# KiCad board untitled.kicad_pcb (continued)
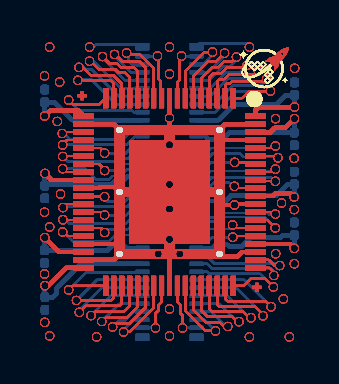
[diagram p0: board, top side]
## Routing (per net, layer and track width the routed paths; a pad name or vN(x,y) marks a point on that pad's centre or on a via; arc(x,y) is an arc through that point) (continued)
/PIN 35: length 120.9
  Top w0.1: 5.56,-0.49 5.57,-0.48 ; 5.56,-0.49 5.57,-0.48 ; 5.56,-0.49 5.57,-0.48 ; 5.56,-0.49 v1(5.56,-1.22) ; 5.56,-0.49 v1(5.56,-1.22) ; 5.56,-0.49 5.57,-0.48 ; 5.56,-0.49 5.57,-0.48 ; 5.56,-0.49 v1(5.56,-1.22) ; 5.56,-0.49 5.57,-0.48 ; 5.56,-0.49 v1(5.56,-1.22) ; 5.56,-0.49 5.57,-0.48 ; 5.56,-0.49 5.57,-0.48 ; 5.56,-0.49 5.57,-0.48 ; 5.56,-0.49 v1(5.56,-1.22) ; 5.56,-0.49 v1(5.56,-1.22) ; 5.56,-0.49 v1(5.56,-1.22) ; 5.56,-0.49 5.57,-0.48 ; 5.56,-0.49 5.57,-0.48 ; 5.56,-0.49 v1(5.56,-1.22) ; 5.56,-0.49 v1(5.56,-1.22) ; 5.56,-0.49 5.57,-0.48 ; 5.56,-0.49 v1(5.56,-1.22) ; 5.56,-0.49 5.57,-0.48 ; 5.56,-0.49 5.57,-0.48 ; 5.56,-0.49 5.57,-0.48 ; 5.56,-0.49 v1(5.56,-1.22) ; 5.56,-0.49 5.57,-0.48 ; 5.56,-0.49 5.57,-0.48 ; 5.56,-0.49 v1(5.56,-1.22) ; 5.56,-0.49 v1(5.56,-1.22) ; 5.56,-0.49 5.57,-0.48 ; 5.56,-0.49 5.57,-0.48 ; 5.56,-0.49 5.57,-0.48 ; 5.56,-0.49 v1(5.56,-1.22) ; 5.56,-0.49 v1(5.56,-1.22) ; 5.56,-0.49 v1(5.56,-1.22) ; 5.56,-0.49 5.57,-0.48 ; 5.56,-0.49 5.57,-0.48 ; 5.56,-0.49 5.57,-0.48 ; 5.56,-0.49 5.57,-0.48 ; 5.56,-0.49 v1(5.56,-1.22) ; 5.56,-0.49 v1(5.56,-1.22) ; 5.56,-0.49 5.57,-0.48 ; 5.56,-0.49 v1(5.56,-1.22) ; 5.56,-0.49 5.57,-0.48 ; 5.56,-0.49 5.57,-0.48 ; 5.56,-0.49 5.57,-0.48 ; 5.56,-0.49 v1(5.56,-1.22) ; 5.56,-0.49 5.57,-0.48 ; 5.56,-0.49 5.57,-0.48 ; 5.56,-0.49 v1(5.56,-1.22) ; 5.56,-0.49 v1(5.56,-1.22) ; 5.56,-0.49 5.57,-0.48 ; 5.56,-0.49 v1(5.56,-1.22) ; 5.56,-0.49 v1(5.56,-1.22) ; 5.56,-0.49 5.57,-0.48 ; 5.56,-0.49 v1(5.56,-1.22) ; 5.56,-0.49 v1(5.56,-1.22) ; 5.56,-0.49 v1(5.56,-1.22) ; 5.56,-0.49 v1(5.56,-1.22) ; 5.56,-0.49 5.57,-0.48 ; 5.56,-0.49 v1(5.56,-1.22) ; 5.56,-0.49 v1(5.56,-1.22) ; 5.56,-0.49 v1(5.56,-1.22) ; 5.56,-0.49 v1(5.56,-1.22) ; 5.56,-0.49 5.57,-0.48 ; 5.56,-0.49 v1(5.56,-1.22) ; 5.56,-0.49 5.57,-0.48 ; 5.56,-0.49 v1(5.56,-1.22) ; 5.56,-0.49 5.57,-0.48 ; 5.56,-0.49 5.57,-0.48 ; 5.56,-0.49 v1(5.56,-1.22) ; 5.56,-0.49 v1(5.56,-1.22) ; 5.56,-0.49 v1(5.56,-1.22) ; 5.56,-0.49 5.57,-0.48 ; 5.56,-0.49 v1(5.56,-1.22) ; 5.56,-0.49 v1(5.56,-1.22) ; 5.56,-0.49 5.57,-0.48 ; 5.56,-0.49 5.57,-0.48 ; 5.56,-0.49 v1(5.56,-1.22) ; 5.56,-0.49 5.57,-0.48 ; 5.56,-0.49 v1(5.56,-1.22) ; 5.56,-0.49 5.57,-0.48 ; 5.56,-0.49 v1(5.56,-1.22) ; 5.57,-0.48 5.72,-0.33 ; 5.57,-0.48 5.72,-0.33 ; 5.57,-0.48 5.72,-0.33 ; 5.57,-0.48 5.72,-0.33 ; 5.57,-0.48 5.72,-0.33 ; 5.57,-0.48 5.72,-0.33 ; 5.57,-0.48 5.72,-0.33 ; 5.57,-0.48 5.72,-0.33 ; 5.57,-0.48 5.72,-0.33 ; 5.57,-0.48 5.72,-0.33 ; 5.57,-0.48 5.72,-0.33 ; 5.57,-0.48 5.72,-0.33 ; 5.57,-0.48 5.72,-0.33 ; 5.57,-0.48 5.72,-0.33 ; 5.57,-0.48 5.72,-0.33 ; 5.57,-0.48 5.72,-0.33 ; 5.57,-0.48 5.72,-0.33 ; 5.57,-0.48 5.72,-0.33 ; 5.57,-0.48 5.72,-0.33 ; 5.57,-0.48 5.72,-0.33 ; 5.57,-0.48 5.72,-0.33 ; 5.57,-0.48 5.72,-0.33 ; 5.57,-0.48 5.72,-0.33 ; 5.57,-0.48 5.72,-0.33 ; 5.57,-0.48 5.72,-0.33 ; 5.57,-0.48 5.72,-0.33 ; 5.57,-0.48 5.72,-0.33 ; 5.57,-0.48 5.72,-0.33 ; 5.57,-0.48 5.72,-0.33 ; 5.57,-0.48 5.72,-0.33 ; 5.57,-0.48 5.72,-0.33 ; 5.57,-0.48 5.72,-0.33 ; 5.57,-0.48 5.72,-0.33 ; 5.57,-0.48 5.72,-0.33 ; 5.57,-0.48 5.72,-0.33 ; 5.57,-0.48 5.72,-0.33 ; 5.57,-0.48 5.72,-0.33 ; 5.57,-0.48 5.72,-0.33 ; 5.57,-0.48 5.72,-0.33 ; 5.57,-0.48 5.72,-0.33 ; 5.57,-0.48 5.72,-0.33 ; 5.57,-0.48 5.72,-0.33 ; 5.72,-0.11 5.72,-0.06 ; 5.72,-0.11 5.72,-0.06 ; 5.72,-0.11 5.72,-0.33 ; 5.72,-0.11 5.72,-0.33 ; 5.72,-0.11 5.72,-0.06 ; 5.72,-0.11 5.72,-0.33 ; 5.72,-0.11 5.72,-0.33 ; 5.72,-0.11 5.72,-0.33 ; 5.72,-0.11 5.72,-0.33 ; 5.72,-0.11 5.72,-0.06 ; 5.72,-0.11 5.72,-0.33 ; 5.72,-0.11 5.72,-0.33 ; 5.72,-0.11 5.72,-0.06 ; 5.72,-0.11 5.72,-0.06 ; 5.72,-0.11 5.72,-0.06 ; 5.72,-0.11 5.72,-0.33 ; 5.72,-0.11 5.72,-0.06 ; 5.72,-0.11 5.72,-0.33 ; 5.72,-0.11 5.72,-0.33 ; 5.72,-0.11 5.72,-0.06 ; 5.72,-0.11 5.72,-0.33 ; 5.72,-0.11 5.72,-0.33 ; 5.72,-0.11 5.72,-0.06 ; 5.72,-0.11 5.72,-0.06 ; 5.72,-0.11 5.72,-0.06 ; 5.72,-0.11 5.72,-0.06 ; 5.72,-0.11 5.72,-0.06 ; 5.72,-0.11 5.72,-0.06 ; 5.72,-0.11 5.72,-0.06 ; 5.72,-0.11 5.72,-0.06 ; 5.72,-0.11 5.72,-0.06 ; 5.72,-0.11 5.72,-0.06 ; 5.72,-0.11 5.72,-0.06 ; 5.72,-0.11 5.72,-0.06 ; 5.72,-0.11 5.72,-0.33 ; 5.72,-0.11 5.72,-0.33 ; 5.72,-0.11 5.72,-0.33 ; 5.72,-0.11 5.72,-0.06 ; 5.72,-0.11 5.72,-0.06 ; 5.72,-0.11 5.72,-0.33 ; 5.72,-0.11 5.72,-0.06 ; 5.72,-0.11 5.72,-0.33 ; 5.72,-0.11 5.72,-0.06 ; 5.72,-0.11 5.72,-0.33 ; 5.72,-0.11 5.72,-0.33 ; 5.72,-0.11 5.72,-0.06 ; 5.72,-0.11 5.72,-0.06 ; 5.72,-0.11 5.72,-0.06 ; 5.72,-0.11 5.72,-0.33 ; 5.72,-0.11 5.72,-0.06 ; 5.72,-0.11 5.72,-0.06 ; 5.72,-0.11 5.72,-0.33 ; 5.72,-0.11 5.72,-0.33 ; 5.72,-0.11 5.72,-0.33 ; 5.72,-0.11 5.72,-0.33 ; 5.72,-0.11 5.72,-0.33 ; 5.72,-0.11 5.72,-0.06 ; 5.72,-0.11 5.72,-0.33 ; 5.72,-0.11 5.72,-0.06 ; 5.72,-0.11 5.72,-0.33 ; 5.72,-0.11 5.72,-0.06 ; 5.72,-0.11 5.72,-0.06 ; 5.72,-0.11 5.72,-0.33 ; 5.72,-0.11 5.72,-0.06 ; 5.72,-0.11 5.72,-0.06 ; 5.72,-0.11 5.72,-0.06 ; 5.72,-0.11 5.72,-0.06 ; 5.72,-0.11 5.72,-0.33 ; 5.72,-0.11 5.72,-0.06 ; 5.72,-0.11 5.72,-0.06 ; 5.72,-0.11 5.72,-0.06 ; 5.72,-0.11 5.72,-0.33 ; 5.72,-0.11 5.72,-0.33 ; 5.72,-0.11 5.72,-0.33 ; 5.72,-0.11 5.72,-0.33 ; 5.72,-0.11 5.72,-0.33 ; 5.72,-0.11 5.72,-0.33 ; 5.72,-0.11 5.72,-0.33 ; 5.72,-0.11 5.72,-0.33 ; 5.72,-0.11 5.72,-0.33 ; 5.72,-0.11 5.72,-0.06 ; 5.72,-0.11 5.72,-0.33 ; 5.72,-0.11 5.72,-0.33 ; 5.72,-0.11 5.72,-0.33 ; 5.72,-0.06 5.86,0.08 ; 5.72,-0.06 5.86,0.08 ; 5.72,-0.06 5.86,0.08 ; 5.72,-0.06 5.86,0.08 ; 5.72,-0.06 5.86,0.08 ; 5.72,-0.06 5.86,0.08 ; 5.72,-0.06 5.86,0.08 ; 5.72,-0.06 5.86,0.08 ; 5.72,-0.06 5.86,0.08 ; 5.72,-0.06 5.86,0.08 ; 5.72,-0.06 5.86,0.08 ; 5.72,-0.06 5.86,0.08 ; 5.72,-0.06 5.86,0.08 ; 5.72,-0.06 5.86,0.08 ; 5.72,-0.06 5.86,0.08 ; 5.72,-0.06 5.86,0.08 ; 5.72,-0.06 5.86,0.08 ; 5.72,-0.06 5.86,0.08 ; 5.72,-0.06 5.86,0.08 ; 5.72,-0.06 5.86,0.08 ; 5.72,-0.06 5.86,0.08 ; 5.72,-0.06 5.86,0.08 ; 5.72,-0.06 5.86,0.08 ; 5.72,-0.06 5.86,0.08 ; 5.72,-0.06 5.86,0.08 ; 5.72,-0.06 5.86,0.08 ; 5.72,-0.06 5.86,0.08 ; 5.72,-0.06 5.86,0.08 ; 5.72,-0.06 5.86,0.08 ; 5.72,-0.06 5.86,0.08 ; 5.72,-0.06 5.86,0.08 ; 5.72,-0.06 5.86,0.08 ; 5.72,-0.06 5.86,0.08 ; 5.72,-0.06 5.86,0.08 ; 5.72,-0.06 5.86,0.08 ; 5.72,-0.06 5.86,0.08 ; 5.72,-0.06 5.86,0.08 ; 5.72,-0.06 5.86,0.08 ; 5.72,-0.06 5.86,0.08 ; 5.72,-0.06 5.86,0.08 ; 5.72,-0.06 5.86,0.08 ; 5.72,-0.06 5.86,0.08 ; 5.86,0.08 J158.45 ; 5.86,0.08 J158.45 ; 5.86,0.08 J158.45 ; 5.86,0.08 J158.45 ; 5.86,0.08 J158.45 ; 5.86,0.08 J158.45 ; 5.86,0.08 J158.45 ; 5.86,0.08 J158.45 ; 5.86,0.08 J158.45 ; 5.86,0.08 J158.45 ; 5.86,0.08 J158.45 ; 5.86,0.08 J158.45 ; 5.86,0.08 J158.45 ; 5.86,0.08 J158.45 ; 5.86,0.08 J158.45 ; 5.86,0.08 J158.45 ; 5.86,0.08 J158.45 ; 5.86,0.08 J158.45 ; 5.86,0.08 J158.45 ; 5.86,0.08 J158.45 ; 5.86,0.08 J158.45 ; 5.86,0.08 J158.45 ; 5.86,0.08 J158.45 ; 5.86,0.08 J158.45 ; 5.86,0.08 J158.45 ; 5.86,0.08 J158.45 ; 5.86,0.08 J158.45 ; 5.86,0.08 J158.45 ; 5.86,0.08 J158.45 ; 5.86,0.08 J158.45 ; 5.86,0.08 J158.45 ; 5.86,0.08 J158.45 ; 5.86,0.08 J158.45 ; 5.86,0.08 J158.45 ; 5.86,0.08 J158.45 ; 5.86,0.08 J158.45 ; 5.86,0.08 J158.45 ; 5.86,0.08 J158.45 ; 5.86,0.08 J158.45 ; 5.86,0.08 J158.45 ; 5.86,0.08 J158.45 ; 5.86,0.08 J158.45
  Bottom w0.1: v1(5.56,-1.22) J173.36 ; v1(5.56,-1.22) J173.36 ; v1(5.56,-1.22) J173.36 ; v1(5.56,-1.22) J173.36 ; v1(5.56,-1.22) J173.36 ; v1(5.56,-1.22) J173.36 ; v1(5.56,-1.22) J173.36 ; v1(5.56,-1.22) J173.36 ; v1(5.56,-1.22) J173.36 ; v1(5.56,-1.22) J173.36 ; v1(5.56,-1.22) J173.36 ; v1(5.56,-1.22) J173.36 ; v1(5.56,-1.22) J173.36 ; v1(5.56,-1.22) J173.36 ; v1(5.56,-1.22) J173.36 ; v1(5.56,-1.22) J173.36 ; v1(5.56,-1.22) J173.36 ; v1(5.56,-1.22) J173.36 ; v1(5.56,-1.22) J173.36 ; v1(5.56,-1.22) J173.36 ; v1(5.56,-1.22) J173.36 ; v1(5.56,-1.22) J173.36 ; v1(5.56,-1.22) J173.36 ; v1(5.56,-1.22) J173.36 ; v1(5.56,-1.22) J173.36 ; v1(5.56,-1.22) J173.36 ; v1(5.56,-1.22) J173.36 ; v1(5.56,-1.22) J173.36 ; v1(5.56,-1.22) J173.36 ; v1(5.56,-1.22) J173.36 ; v1(5.56,-1.22) J173.36 ; v1(5.56,-1.22) J173.36 ; v1(5.56,-1.22) J173.36 ; v1(5.56,-1.22) J173.36 ; v1(5.56,-1.22) J173.36 ; v1(5.56,-1.22) J173.36 ; v1(5.56,-1.22) J173.36 ; v1(5.56,-1.22) J173.36 ; v1(5.56,-1.22) J173.36 ; v1(5.56,-1.22) J173.36 ; v1(5.56,-1.22) J173.36 ; v1(5.56,-1.22) J173.36
/PIN 36: length 122.2
  Top w0.1: J158.47 6.66,0.08 ; J158.47 6.66,0.08 ; J158.47 6.66,0.08 ; J158.47 6.66,0.08 ; J158.47 6.66,0.08 ; J158.47 6.66,0.08 ; J158.47 6.66,0.08 ; J158.47 6.66,0.08 ; J158.47 6.66,0.08 ; J158.47 6.66,0.08 ; J158.47 6.66,0.08 ; J158.47 6.66,0.08 ; J158.47 6.66,0.08 ; J158.47 6.66,0.08 ; J158.47 6.66,0.08 ; J158.47 6.66,0.08 ; J158.47 6.66,0.08 ; J158.47 6.66,0.08 ; J158.47 6.66,0.08 ; J158.47 6.66,0.08 ; J158.47 6.66,0.08 ; J158.47 6.66,0.08 ; J158.47 6.66,0.08 ; J158.47 6.66,0.08 ; J158.47 6.66,0.08 ; J158.47 6.66,0.08 ; J158.47 6.66,0.08 ; J158.47 6.66,0.08 ; J158.47 6.66,0.08 ; J158.47 6.66,0.08 ; J158.47 6.66,0.08 ; J158.47 6.66,0.08 ; J158.47 6.66,0.08 ; J158.47 6.66,0.08 ; J158.47 6.66,0.08 ; J158.47 6.66,0.08 ; J158.47 6.66,0.08 ; J158.47 6.66,0.08 ; J158.47 6.66,0.08 ; J158.47 6.66,0.08 ; J158.47 6.66,0.08 ; J158.47 6.66,0.08 ; 6.66,0.08 6.8,-0.06 ; 6.66,0.08 6.8,-0.06 ; 6.66,0.08 6.8,-0.06 ; 6.66,0.08 6.8,-0.06 ; 6.66,0.08 6.8,-0.06 ; 6.66,0.08 6.8,-0.06 ; 6.66,0.08 6.8,-0.06 ; 6.66,0.08 6.8,-0.06 ; 6.66,0.08 6.8,-0.06 ; 6.66,0.08 6.8,-0.06 ; 6.66,0.08 6.8,-0.06 ; 6.66,0.08 6.8,-0.06 ; 6.66,0.08 6.8,-0.06 ; 6.66,0.08 6.8,-0.06 ; 6.66,0.08 6.8,-0.06 ; 6.66,0.08 6.8,-0.06 ; 6.66,0.08 6.8,-0.06 ; 6.66,0.08 6.8,-0.06 ; 6.66,0.08 6.8,-0.06 ; 6.66,0.08 6.8,-0.06 ; 6.66,0.08 6.8,-0.06 ; 6.66,0.08 6.8,-0.06 ; 6.66,0.08 6.8,-0.06 ; 6.66,0.08 6.8,-0.06 ; 6.66,0.08 6.8,-0.06 ; 6.66,0.08 6.8,-0.06 ; 6.66,0.08 6.8,-0.06 ; 6.66,0.08 6.8,-0.06 ; 6.66,0.08 6.8,-0.06 ; 6.66,0.08 6.8,-0.06 ; 6.66,0.08 6.8,-0.06 ; 6.66,0.08 6.8,-0.06 ; 6.66,0.08 6.8,-0.06 ; 6.66,0.08 6.8,-0.06 ; 6.66,0.08 6.8,-0.06 ; 6.66,0.08 6.8,-0.06 ; 6.66,0.08 6.8,-0.06 ; 6.66,0.08 6.8,-0.06 ; 6.66,0.08 6.8,-0.06 ; 6.66,0.08 6.8,-0.06 ; 6.66,0.08 6.8,-0.06 ; 6.66,0.08 6.8,-0.06 ; 6.8,-0.06 6.8,-0.26 ; 6.8,-0.06 6.8,-0.26 ; 6.8,-0.06 6.8,-0.26 ; 6.8,-0.06 6.8,-0.26 ; 6.8,-0.06 6.8,-0.26 ; 6.8,-0.06 6.8,-0.26 ; 6.8,-0.06 6.8,-0.26 ; 6.8,-0.06 6.8,-0.26 ; 6.8,-0.06 6.8,-0.26 ; 6.8,-0.06 6.8,-0.26 ; 6.8,-0.06 6.8,-0.26 ; 6.8,-0.06 6.8,-0.26 ; 6.8,-0.06 6.8,-0.26 ; 6.8,-0.06 6.8,-0.26 ; 6.8,-0.06 6.8,-0.26 ; 6.8,-0.06 6.8,-0.26 ; 6.8,-0.06 6.8,-0.26 ; 6.8,-0.06 6.8,-0.26 ; 6.8,-0.06 6.8,-0.26 ; 6.8,-0.06 6.8,-0.26 ; 6.8,-0.06 6.8,-0.26 ; 6.8,-0.06 6.8,-0.26 ; 6.8,-0.06 6.8,-0.26 ; 6.8,-0.06 6.8,-0.26 ; 6.8,-0.06 6.8,-0.26 ; 6.8,-0.06 6.8,-0.26 ; 6.8,-0.06 6.8,-0.26 ; 6.8,-0.06 6.8,-0.26 ; 6.8,-0.06 6.8,-0.26 ; 6.8,-0.06 6.8,-0.26 ; 6.8,-0.06 6.8,-0.26 ; 6.8,-0.06 6.8,-0.26 ; 6.8,-0.06 6.8,-0.26 ; 6.8,-0.06 6.8,-0.26 ; 6.8,-0.06 6.8,-0.26 ; 6.8,-0.06 6.8,-0.26 ; 6.8,-0.06 6.8,-0.26 ; 6.8,-0.06 6.8,-0.26 ; 6.8,-0.06 6.8,-0.26 ; 6.8,-0.06 6.8,-0.26 ; 6.8,-0.06 6.8,-0.26 ; 6.8,-0.06 6.8,-0.26 ; 6.8,-0.26 6.8,-0.48 ; 6.8,-0.26 6.8,-0.48 ; 6.8,-0.26 6.8,-0.48 ; 6.8,-0.26 6.8,-0.48 ; 6.8,-0.26 6.8,-0.48 ; 6.8,-0.26 6.8,-0.48 ; 6.8,-0.26 6.8,-0.48 ; 6.8,-0.26 6.8,-0.48 ; 6.8,-0.26 6.8,-0.48 ; 6.8,-0.26 6.8,-0.48 ; 6.8,-0.26 6.8,-0.48 ; 6.8,-0.26 6.8,-0.48 ; 6.8,-0.26 6.8,-0.48 ; 6.8,-0.26 6.8,-0.48 ; 6.8,-0.26 6.8,-0.48 ; 6.8,-0.26 6.8,-0.48 ; 6.8,-0.26 6.8,-0.48 ; 6.8,-0.26 6.8,-0.48 ; 6.8,-0.26 6.8,-0.48 ; 6.8,-0.26 6.8,-0.48 ; 6.8,-0.26 6.8,-0.48 ; 6.8,-0.26 6.8,-0.48 ; 6.8,-0.26 6.8,-0.48 ; 6.8,-0.26 6.8,-0.48 ; 6.8,-0.26 6.8,-0.48 ; 6.8,-0.26 6.8,-0.48 ; 6.8,-0.26 6.8,-0.48 ; 6.8,-0.26 6.8,-0.48 ; 6.8,-0.26 6.8,-0.48 ; 6.8,-0.26 6.8,-0.48 ; 6.8,-0.26 6.8,-0.48 ; 6.8,-0.26 6.8,-0.48 ; 6.8,-0.26 6.8,-0.48 ; 6.8,-0.26 6.8,-0.48 ; 6.8,-0.26 6.8,-0.48 ; 6.8,-0.26 6.8,-0.48 ; 6.8,-0.26 6.8,-0.48 ; 6.8,-0.26 6.8,-0.48 ; 6.8,-0.26 6.8,-0.48 ; 6.8,-0.26 6.8,-0.48 ; 6.8,-0.26 6.8,-0.48 ; 6.8,-0.26 6.8,-0.48 ; 6.91,-0.59 v1(6.91,-1.22) ; 6.91,-0.59 6.8,-0.48 ; 6.91,-0.59 v1(6.91,-1.22) ; 6.91,-0.59 6.8,-0.48 ; 6.91,-0.59 v1(6.91,-1.22) ; 6.91,-0.59 v1(6.91,-1.22) ; 6.91,-0.59 v1(6.91,-1.22) ; 6.91,-0.59 6.8,-0.48 ; 6.91,-0.59 v1(6.91,-1.22) ; 6.91,-0.59 v1(6.91,-1.22) ; 6.91,-0.59 v1(6.91,-1.22) ; 6.91,-0.59 v1(6.91,-1.22) ; 6.91,-0.59 v1(6.91,-1.22) ; 6.91,-0.59 6.8,-0.48 ; 6.91,-0.59 v1(6.91,-1.22) ; 6.91,-0.59 6.8,-0.48 ; 6.91,-0.59 v1(6.91,-1.22) ; 6.91,-0.59 v1(6.91,-1.22) ; 6.91,-0.59 v1(6.91,-1.22) ; 6.91,-0.59 v1(6.91,-1.22) ; 6.91,-0.59 v1(6.91,-1.22) ; 6.91,-0.59 v1(6.91,-1.22) ; 6.91,-0.59 6.8,-0.48 ; 6.91,-0.59 6.8,-0.48 ; 6.91,-0.59 6.8,-0.48 ; 6.91,-0.59 v1(6.91,-1.22) ; 6.91,-0.59 6.8,-0.48 ; 6.91,-0.59 6.8,-0.48 ; 6.91,-0.59 v1(6.91,-1.22) ; 6.91,-0.59 6.8,-0.48 ; 6.91,-0.59 6.8,-0.48 ; 6.91,-0.59 6.8,-0.48 ; 6.91,-0.59 v1(6.91,-1.22) ; 6.91,-0.59 6.8,-0.48 ; 6.91,-0.59 v1(6.91,-1.22) ; 6.91,-0.59 v1(6.91,-1.22) ; 6.91,-0.59 6.8,-0.48 ; 6.91,-0.59 6.8,-0.48 ; 6.91,-0.59 v1(6.91,-1.22) ; 6.91,-0.59 6.8,-0.48 ; 6.91,-0.59 v1(6.91,-1.22) ; 6.91,-0.59 6.8,-0.48 ; 6.91,-0.59 6.8,-0.48 ; 6.91,-0.59 6.8,-0.48 ; 6.91,-0.59 6.8,-0.48 ; 6.91,-0.59 6.8,-0.48 ; 6.91,-0.59 6.8,-0.48 ; 6.91,-0.59 6.8,-0.48 ; 6.91,-0.59 6.8,-0.48 ; 6.91,-0.59 v1(6.91,-1.22) ; 6.91,-0.59 v1(6.91,-1.22) ; 6.91,-0.59 v1(6.91,-1.22) ; 6.91,-0.59 6.8,-0.48 ; 6.91,-0.59 6.8,-0.48 ; 6.91,-0.59 6.8,-0.48 ; 6.91,-0.59 v1(6.91,-1.22) ; 6.91,-0.59 6.8,-0.48 ; 6.91,-0.59 v1(6.91,-1.22) ; 6.91,-0.59 6.8,-0.48 ; 6.91,-0.59 v1(6.91,-1.22) ; 6.91,-0.59 6.8,-0.48 ; 6.91,-0.59 v1(6.91,-1.22) ; 6.91,-0.59 v1(6.91,-1.22) ; 6.91,-0.59 v1(6.91,-1.22) ; 6.91,-0.59 6.8,-0.48 ; 6.91,-0.59 6.8,-0.48 ; 6.91,-0.59 v1(6.91,-1.22) ; 6.91,-0.59 v1(6.91,-1.22) ; 6.91,-0.59 v1(6.91,-1.22) ; 6.91,-0.59 6.8,-0.48 ; 6.91,-0.59 6.8,-0.48 ; 6.91,-0.59 v1(6.91,-1.22) ; 6.91,-0.59 6.8,-0.48 ; 6.91,-0.59 6.8,-0.48 ; 6.91,-0.59 6.8,-0.48 ; 6.91,-0.59 v1(6.91,-1.22) ; 6.91,-0.59 v1(6.91,-1.22) ; 6.91,-0.59 6.8,-0.48 ; 6.91,-0.59 v1(6.91,-1.22) ; 6.91,-0.59 6.8,-0.48 ; 6.91,-0.59 6.8,-0.48 ; 6.91,-0.59 6.8,-0.48 ; 6.91,-0.59 v1(6.91,-1.22) ; 6.91,-0.59 v1(6.91,-1.22)
  Bottom w0.1: v1(6.91,-1.22) J173.35 ; v1(6.91,-1.22) J173.35 ; v1(6.91,-1.22) J173.35 ; v1(6.91,-1.22) J173.35 ; v1(6.91,-1.22) J173.35 ; v1(6.91,-1.22) J173.35 ; v1(6.91,-1.22) J173.35 ; v1(6.91,-1.22) J173.35 ; v1(6.91,-1.22) J173.35 ; v1(6.91,-1.22) J173.35 ; v1(6.91,-1.22) J173.35 ; v1(6.91,-1.22) J173.35 ; v1(6.91,-1.22) J173.35 ; v1(6.91,-1.22) J173.35 ; v1(6.91,-1.22) J173.35 ; v1(6.91,-1.22) J173.35 ; v1(6.91,-1.22) J173.35 ; v1(6.91,-1.22) J173.35 ; v1(6.91,-1.22) J173.35 ; v1(6.91,-1.22) J173.35 ; v1(6.91,-1.22) J173.35 ; v1(6.91,-1.22) J173.35 ; v1(6.91,-1.22) J173.35 ; v1(6.91,-1.22) J173.35 ; v1(6.91,-1.22) J173.35 ; v1(6.91,-1.22) J173.35 ; v1(6.91,-1.22) J173.35 ; v1(6.91,-1.22) J173.35 ; v1(6.91,-1.22) J173.35 ; v1(6.91,-1.22) J173.35 ; v1(6.91,-1.22) J173.35 ; v1(6.91,-1.22) J173.35 ; v1(6.91,-1.22) J173.35 ; v1(6.91,-1.22) J173.35 ; v1(6.91,-1.22) J173.35 ; v1(6.91,-1.22) J173.35 ; v1(6.91,-1.22) J173.35 ; v1(6.91,-1.22) J173.35 ; v1(6.91,-1.22) J173.35 ; v1(6.91,-1.22) J173.35 ; v1(6.91,-1.22) J173.35 ; v1(6.91,-1.22) J173.35
/PIN 37: length 182.2
  Top w0.1: J158.48 7.06,-0.37 ; J158.48 7.06,-0.37 ; J158.48 7.06,-0.37 ; J158.48 7.06,-0.37 ; J158.48 7.06,-0.37 ; J158.48 7.06,-0.37 ; J158.48 7.06,-0.37 ; J158.48 7.06,-0.37 ; J158.48 7.06,-0.37 ; J158.48 7.06,-0.37 ; J158.48 7.06,-0.37 ; J158.48 7.06,-0.37 ; J158.48 7.06,-0.37 ; J158.48 7.06,-0.37 ; J158.48 7.06,-0.37 ; J158.48 7.06,-0.37 ; J158.48 7.06,-0.37 ; J158.48 7.06,-0.37 ; J158.48 7.06,-0.37 ; J158.48 7.06,-0.37 ; J158.48 7.06,-0.37 ; J158.48 7.06,-0.37 ; J158.48 7.06,-0.37 ; J158.48 7.06,-0.37 ; J158.48 7.06,-0.37 ; J158.48 7.06,-0.37 ; J158.48 7.06,-0.37 ; J158.48 7.06,-0.37 ; J158.48 7.06,-0.37 ; J158.48 7.06,-0.37 ; J158.48 7.06,-0.37 ; J158.48 7.06,-0.37 ; J158.48 7.06,-0.37 ; J158.48 7.06,-0.37 ; J158.48 7.06,-0.37 ; J158.48 7.06,-0.37 ; J158.48 7.06,-0.37 ; J158.48 7.06,-0.37 ; J158.48 7.06,-0.37 ; J158.48 7.06,-0.37 ; J158.48 7.06,-0.37 ; J158.48 7.06,-0.37 ; 7.06,-0.37 8.06,-1.37 ; 7.06,-0.37 8.06,-1.37 ; 7.06,-0.37 8.06,-1.37 ; 7.06,-0.37 8.06,-1.37 ; 7.06,-0.37 8.06,-1.37 ; 7.06,-0.37 8.06,-1.37 ; 7.06,-0.37 8.06,-1.37 ; 7.06,-0.37 8.06,-1.37 ; 7.06,-0.37 8.06,-1.37 ; 7.06,-0.37 8.06,-1.37 ; 7.06,-0.37 8.06,-1.37 ; 7.06,-0.37 8.06,-1.37 ; 7.06,-0.37 8.06,-1.37 ; 7.06,-0.37 8.06,-1.37 ; 7.06,-0.37 8.06,-1.37 ; 7.06,-0.37 8.06,-1.37 ; 7.06,-0.37 8.06,-1.37 ; 7.06,-0.37 8.06,-1.37 ; 7.06,-0.37 8.06,-1.37 ; 7.06,-0.37 8.06,-1.37 ; 7.06,-0.37 8.06,-1.37 ; 7.06,-0.37 8.06,-1.37 ; 7.06,-0.37 8.06,-1.37 ; 7.06,-0.37 8.06,-1.37 ; 7.06,-0.37 8.06,-1.37 ; 7.06,-0.37 8.06,-1.37 ; 7.06,-0.37 8.06,-1.37 ; 7.06,-0.37 8.06,-1.37 ; 7.06,-0.37 8.06,-1.37 ; 7.06,-0.37 8.06,-1.37 ; 7.06,-0.37 8.06,-1.37 ; 7.06,-0.37 8.06,-1.37 ; 7.06,-0.37 8.06,-1.37 ; 7.06,-0.37 8.06,-1.37 ; 7.06,-0.37 8.06,-1.37 ; 7.06,-0.37 8.06,-1.37 ; 7.06,-0.37 8.06,-1.37 ; 7.06,-0.37 8.06,-1.37 ; 7.06,-0.37 8.06,-1.37 ; 7.06,-0.37 8.06,-1.37 ; 7.06,-0.37 8.06,-1.37 ; 7.06,-0.37 8.06,-1.37 ; 8.06,-1.37 v1(8.56,-1.37) ; 8.06,-1.37 v1(8.56,-1.37) ; 8.06,-1.37 v1(8.56,-1.37) ; 8.06,-1.37 v1(8.56,-1.37) ; 8.06,-1.37 v1(8.56,-1.37) ; 8.06,-1.37 v1(8.56,-1.37) ; 8.06,-1.37 v1(8.56,-1.37) ; 8.06,-1.37 v1(8.56,-1.37) ; 8.06,-1.37 v1(8.56,-1.37) ; 8.06,-1.37 v1(8.56,-1.37) ; 8.06,-1.37 v1(8.56,-1.37) ; 8.06,-1.37 v1(8.56,-1.37) ; 8.06,-1.37 v1(8.56,-1.37) ; 8.06,-1.37 v1(8.56,-1.37) ; 8.06,-1.37 v1(8.56,-1.37) ; 8.06,-1.37 v1(8.56,-1.37) ; 8.06,-1.37 v1(8.56,-1.37) ; 8.06,-1.37 v1(8.56,-1.37) ; 8.06,-1.37 v1(8.56,-1.37) ; 8.06,-1.37 v1(8.56,-1.37) ; 8.06,-1.37 v1(8.56,-1.37) ; 8.06,-1.37 v1(8.56,-1.37) ; 8.06,-1.37 v1(8.56,-1.37) ; 8.06,-1.37 v1(8.56,-1.37) ; 8.06,-1.37 v1(8.56,-1.37) ; 8.06,-1.37 v1(8.56,-1.37) ; 8.06,-1.37 v1(8.56,-1.37) ; 8.06,-1.37 v1(8.56,-1.37) ; 8.06,-1.37 v1(8.56,-1.37) ; 8.06,-1.37 v1(8.56,-1.37) ; 8.06,-1.37 v1(8.56,-1.37) ; 8.06,-1.37 v1(8.56,-1.37) ; 8.06,-1.37 v1(8.56,-1.37) ; 8.06,-1.37 v1(8.56,-1.37) ; 8.06,-1.37 v1(8.56,-1.37) ; 8.06,-1.37 v1(8.56,-1.37) ; 8.06,-1.37 v1(8.56,-1.37) ; 8.06,-1.37 v1(8.56,-1.37) ; 8.06,-1.37 v1(8.56,-1.37) ; 8.06,-1.37 v1(8.56,-1.37) ; 8.06,-1.37 v1(8.56,-1.37) ; 8.06,-1.37 v1(8.56,-1.37)
  Bottom w0.1: v1(8.56,-1.37) 8.01,-0.82 ; v1(8.56,-1.37) 8.01,-0.82 ; v1(8.56,-1.37) 8.01,-0.82 ; v1(8.56,-1.37) 8.01,-0.82 ; v1(8.56,-1.37) 8.01,-0.82 ; v1(8.56,-1.37) 8.01,-0.82 ; v1(8.56,-1.37) 8.01,-0.82 ; v1(8.56,-1.37) 8.01,-0.82 ; v1(8.56,-1.37) 8.01,-0.82 ; v1(8.56,-1.37) 8.01,-0.82 ; v1(8.56,-1.37) 8.01,-0.82 ; v1(8.56,-1.37) 8.01,-0.82 ; v1(8.56,-1.37) 8.01,-0.82 ; v1(8.56,-1.37) 8.01,-0.82 ; v1(8.56,-1.37) 8.01,-0.82 ; v1(8.56,-1.37) 8.01,-0.82 ; v1(8.56,-1.37) 8.01,-0.82 ; v1(8.56,-1.37) 8.01,-0.82 ; v1(8.56,-1.37) 8.01,-0.82 ; v1(8.56,-1.37) 8.01,-0.82 ; v1(8.56,-1.37) 8.01,-0.82 ; v1(8.56,-1.37) 8.01,-0.82 ; v1(8.56,-1.37) 8.01,-0.82 ; v1(8.56,-1.37) 8.01,-0.82 ; v1(8.56,-1.37) 8.01,-0.82 ; v1(8.56,-1.37) 8.01,-0.82 ; v1(8.56,-1.37) 8.01,-0.82 ; v1(8.56,-1.37) 8.01,-0.82 ; v1(8.56,-1.37) 8.01,-0.82 ; v1(8.56,-1.37) 8.01,-0.82 ; v1(8.56,-1.37) 8.01,-0.82 ; v1(8.56,-1.37) 8.01,-0.82 ; v1(8.56,-1.37) 8.01,-0.82 ; v1(8.56,-1.37) 8.01,-0.82 ; v1(8.56,-1.37) 8.01,-0.82 ; v1(8.56,-1.37) 8.01,-0.82 ; v1(8.56,-1.37) 8.01,-0.82 ; v1(8.56,-1.37) 8.01,-0.82 ; v1(8.56,-1.37) 8.01,-0.82 ; v1(8.56,-1.37) 8.01,-0.82 ; v1(8.56,-1.37) 8.01,-0.82 ; v1(8.56,-1.37) 8.01,-0.82 ; 8.01,-0.82 J173.34 ; 8.01,-0.82 J173.34 ; 8.01,-0.82 J173.34 ; 8.01,-0.82 J173.34 ; 8.01,-0.82 J173.34 ; 8.01,-0.82 J173.34 ; 8.01,-0.82 J173.34 ; 8.01,-0.82 J173.34 ; 8.01,-0.82 J173.34 ; 8.01,-0.82 J173.34 ; 8.01,-0.82 J173.34 ; 8.01,-0.82 J173.34 ; 8.01,-0.82 J173.34 ; 8.01,-0.82 J173.34 ; 8.01,-0.82 J173.34 ; 8.01,-0.82 J173.34 ; 8.01,-0.82 J173.34 ; 8.01,-0.82 J173.34 ; 8.01,-0.82 J173.34 ; 8.01,-0.82 J173.34 ; 8.01,-0.82 J173.34 ; 8.01,-0.82 J173.34 ; 8.01,-0.82 J173.34 ; 8.01,-0.82 J173.34 ; 8.01,-0.82 J173.34 ; 8.01,-0.82 J173.34 ; 8.01,-0.82 J173.34 ; 8.01,-0.82 J173.34 ; 8.01,-0.82 J173.34 ; 8.01,-0.82 J173.34 ; 8.01,-0.82 J173.34 ; 8.01,-0.82 J173.34 ; 8.01,-0.82 J173.34 ; 8.01,-0.82 J173.34 ; 8.01,-0.82 J173.34 ; 8.01,-0.82 J173.34 ; 8.01,-0.82 J173.34 ; 8.01,-0.82 J173.34 ; 8.01,-0.82 J173.34 ; 8.01,-0.82 J173.34 ; 8.01,-0.82 J173.34 ; 8.01,-0.82 J173.34
/PIN 38: length 215.2
  Top w0.1: 8.07,-0.93 7.46,-0.32 ; 8.07,-0.93 8.77,-0.93 ; 8.07,-0.93 8.77,-0.93 ; 8.07,-0.93 7.46,-0.32 ; 8.07,-0.93 8.77,-0.93 ; 8.07,-0.93 7.46,-0.32 ; 8.07,-0.93 8.77,-0.93 ; 8.07,-0.93 8.77,-0.93 ; 8.07,-0.93 7.46,-0.32 ; 8.07,-0.93 8.77,-0.93 ; 8.07,-0.93 8.77,-0.93 ; 8.07,-0.93 7.46,-0.32 ; 8.07,-0.93 7.46,-0.32 ; 8.07,-0.93 7.46,-0.32 ; 8.07,-0.93 8.77,-0.93 ; 8.07,-0.93 7.46,-0.32 ; 8.07,-0.93 7.46,-0.32 ; 8.07,-0.93 8.77,-0.93 ; 8.07,-0.93 7.46,-0.32 ; 8.07,-0.93 7.46,-0.32 ; 8.07,-0.93 8.77,-0.93 ; 8.07,-0.93 7.46,-0.32 ; 8.07,-0.93 8.77,-0.93 ; 8.07,-0.93 8.77,-0.93 ; 8.07,-0.93 7.46,-0.32 ; 8.07,-0.93 7.46,-0.32 ; 8.07,-0.93 7.46,-0.32 ; 8.07,-0.93 7.46,-0.32 ; 8.07,-0.93 8.77,-0.93 ; 8.07,-0.93 8.77,-0.93 ; 8.07,-0.93 7.46,-0.32 ; 8.07,-0.93 8.77,-0.93 ; 8.07,-0.93 7.46,-0.32 ; 8.07,-0.93 7.46,-0.32 ; 8.07,-0.93 8.77,-0.93 ; 8.07,-0.93 8.77,-0.93 ; 8.07,-0.93 7.46,-0.32 ; 8.07,-0.93 7.46,-0.32 ; 8.07,-0.93 8.77,-0.93 ; 8.07,-0.93 8.77,-0.93 ; 8.07,-0.93 7.46,-0.32 ; 8.07,-0.93 7.46,-0.32 ; 8.07,-0.93 8.77,-0.93 ; 8.07,-0.93 7.46,-0.32 ; 8.07,-0.93 8.77,-0.93 ; 8.07,-0.93 8.77,-0.93 ; 8.07,-0.93 8.77,-0.93 ; 8.07,-0.93 7.46,-0.32 ; 8.07,-0.93 7.46,-0.32 ; 8.07,-0.93 7.46,-0.32 ; 8.07,-0.93 8.77,-0.93 ; 8.07,-0.93 7.46,-0.32 ; 8.07,-0.93 8.77,-0.93 ; 8.07,-0.93 8.77,-0.93 ; 8.07,-0.93 8.77,-0.93 ; 8.07,-0.93 8.77,-0.93 ; 8.07,-0.93 8.77,-0.93 ; 8.07,-0.93 7.46,-0.32 ; 8.07,-0.93 7.46,-0.32 ; 8.07,-0.93 8.77,-0.93 ; 8.07,-0.93 7.46,-0.32 ; 8.07,-0.93 8.77,-0.93 ; 8.07,-0.93 7.46,-0.32 ; 8.07,-0.93 8.77,-0.93 ; 8.07,-0.93 8.77,-0.93 ; 8.07,-0.93 8.77,-0.93 ; 8.07,-0.93 7.46,-0.32 ; 8.07,-0.93 7.46,-0.32 ; 8.07,-0.93 8.77,-0.93 ; 8.07,-0.93 7.46,-0.32 ; 8.07,-0.93 8.77,-0.93 ; 8.07,-0.93 7.46,-0.32 ; 8.07,-0.93 8.77,-0.93 ; 8.07,-0.93 7.46,-0.32 ; 8.07,-0.93 8.77,-0.93 ; 8.07,-0.93 7.46,-0.32 ; 8.07,-0.93 8.77,-0.93 ; 8.07,-0.93 8.77,-0.93 ; 8.07,-0.93 7.46,-0.32 ; 8.07,-0.93 7.46,-0.32 ; 8.07,-0.93 7.46,-0.32 ; 8.07,-0.93 8.77,-0.93 ; 8.07,-0.93 7.46,-0.32 ; 8.07,-0.93 8.77,-0.93 ; 7.46,-0.32 J158.49 ; 7.46,-0.32 J158.49 ; 7.46,-0.32 J158.49 ; 7.46,-0.32 J158.49 ; 7.46,-0.32 J158.49 ; 7.46,-0.32 J158.49 ; 7.46,-0.32 J158.49 ; 7.46,-0.32 J158.49 ; 7.46,-0.32 J158.49 ; 7.46,-0.32 J158.49 ; 7.46,-0.32 J158.49 ; 7.46,-0.32 J158.49 ; 7.46,-0.32 J158.49 ; 7.46,-0.32 J158.49 ; 7.46,-0.32 J158.49 ; 7.46,-0.32 J158.49 ; 7.46,-0.32 J158.49 ; 7.46,-0.32 J158.49 ; 7.46,-0.32 J158.49 ; 7.46,-0.32 J158.49 ; 7.46,-0.32 J158.49 ; 7.46,-0.32 J158.49 ; 7.46,-0.32 J158.49 ; 7.46,-0.32 J158.49 ; 7.46,-0.32 J158.49 ; 7.46,-0.32 J158.49 ; 7.46,-0.32 J158.49 ; 7.46,-0.32 J158.49 ; 7.46,-0.32 J158.49 ; 7.46,-0.32 J158.49 ; 7.46,-0.32 J158.49 ; 7.46,-0.32 J158.49 ; 7.46,-0.32 J158.49 ; 7.46,-0.32 J158.49 ; 7.46,-0.32 J158.49 ; 7.46,-0.32 J158.49 ; 7.46,-0.32 J158.49 ; 7.46,-0.32 J158.49 ; 7.46,-0.32 J158.49 ; 7.46,-0.32 J158.49 ; 7.46,-0.32 J158.49 ; 7.46,-0.32 J158.49 ; v1(9.18,-1.15) 8.99,-1.15 ; v1(9.18,-1.15) 8.99,-1.15 ; v1(9.18,-1.15) 8.99,-1.15 ; v1(9.18,-1.15) 8.99,-1.15 ; v1(9.18,-1.15) 8.99,-1.15 ; v1(9.18,-1.15) 8.99,-1.15 ; v1(9.18,-1.15) 8.99,-1.15 ; v1(9.18,-1.15) 8.99,-1.15 ; v1(9.18,-1.15) 8.99,-1.15 ; v1(9.18,-1.15) 8.99,-1.15 ; v1(9.18,-1.15) 8.99,-1.15 ; v1(9.18,-1.15) 8.99,-1.15 ; v1(9.18,-1.15) 8.99,-1.15 ; v1(9.18,-1.15) 8.99,-1.15 ; v1(9.18,-1.15) 8.99,-1.15 ; v1(9.18,-1.15) 8.99,-1.15 ; v1(9.18,-1.15) 8.99,-1.15 ; v1(9.18,-1.15) 8.99,-1.15 ; v1(9.18,-1.15) 8.99,-1.15 ; v1(9.18,-1.15) 8.99,-1.15 ; v1(9.18,-1.15) 8.99,-1.15 ; v1(9.18,-1.15) 8.99,-1.15 ; v1(9.18,-1.15) 8.99,-1.15 ; v1(9.18,-1.15) 8.99,-1.15 ; v1(9.18,-1.15) 8.99,-1.15 ; v1(9.18,-1.15) 8.99,-1.15 ; v1(9.18,-1.15) 8.99,-1.15 ; v1(9.18,-1.15) 8.99,-1.15 ; v1(9.18,-1.15) 8.99,-1.15 ; v1(9.18,-1.15) 8.99,-1.15 ; v1(9.18,-1.15) 8.99,-1.15 ; v1(9.18,-1.15) 8.99,-1.15 ; v1(9.18,-1.15) 8.99,-1.15 ; v1(9.18,-1.15) 8.99,-1.15 ; v1(9.18,-1.15) 8.99,-1.15 ; v1(9.18,-1.15) 8.99,-1.15 ; v1(9.18,-1.15) 8.99,-1.15 ; v1(9.18,-1.15) 8.99,-1.15 ; v1(9.18,-1.15) 8.99,-1.15 ; v1(9.18,-1.15) 8.99,-1.15 ; v1(9.18,-1.15) 8.99,-1.15 ; v1(9.18,-1.15) 8.99,-1.15 ; 8.99,-1.15 8.77,-0.93 ; 8.99,-1.15 8.77,-0.93 ; 8.99,-1.15 8.77,-0.93 ; 8.99,-1.15 8.77,-0.93 ; 8.99,-1.15 8.77,-0.93 ; 8.99,-1.15 8.77,-0.93 ; 8.99,-1.15 8.77,-0.93 ; 8.99,-1.15 8.77,-0.93 ; 8.99,-1.15 8.77,-0.93 ; 8.99,-1.15 8.77,-0.93 ; 8.99,-1.15 8.77,-0.93 ; 8.99,-1.15 8.77,-0.93 ; 8.99,-1.15 8.77,-0.93 ; 8.99,-1.15 8.77,-0.93 ; 8.99,-1.15 8.77,-0.93 ; 8.99,-1.15 8.77,-0.93 ; 8.99,-1.15 8.77,-0.93 ; 8.99,-1.15 8.77,-0.93 ; 8.99,-1.15 8.77,-0.93 ; 8.99,-1.15 8.77,-0.93 ; 8.99,-1.15 8.77,-0.93 ; 8.99,-1.15 8.77,-0.93 ; 8.99,-1.15 8.77,-0.93 ; 8.99,-1.15 8.77,-0.93 ; 8.99,-1.15 8.77,-0.93 ; 8.99,-1.15 8.77,-0.93 ; 8.99,-1.15 8.77,-0.93 ; 8.99,-1.15 8.77,-0.93 ; 8.99,-1.15 8.77,-0.93 ; 8.99,-1.15 8.77,-0.93 ; 8.99,-1.15 8.77,-0.93 ; 8.99,-1.15 8.77,-0.93 ; 8.99,-1.15 8.77,-0.93 ; 8.99,-1.15 8.77,-0.93 ; 8.99,-1.15 8.77,-0.93 ; 8.99,-1.15 8.77,-0.93 ; 8.99,-1.15 8.77,-0.93 ; 8.99,-1.15 8.77,-0.93 ; 8.99,-1.15 8.77,-0.93 ; 8.99,-1.15 8.77,-0.93 ; 8.99,-1.15 8.77,-0.93 ; 8.99,-1.15 8.77,-0.93
  Bottom w0.1: 8.36,-0.42 J173.33 ; 8.36,-0.42 9.09,-1.15 ; 8.36,-0.42 J173.33 ; 8.36,-0.42 9.09,-1.15 ; 8.36,-0.42 J173.33 ; 8.36,-0.42 9.09,-1.15 ; 8.36,-0.42 9.09,-1.15 ; 8.36,-0.42 9.09,-1.15 ; 8.36,-0.42 J173.33 ; 8.36,-0.42 9.09,-1.15 ; 8.36,-0.42 9.09,-1.15 ; 8.36,-0.42 J173.33 ; 8.36,-0.42 J173.33 ; 8.36,-0.42 9.09,-1.15 ; 8.36,-0.42 9.09,-1.15 ; 8.36,-0.42 9.09,-1.15 ; 8.36,-0.42 J173.33 ; 8.36,-0.42 J173.33 ; 8.36,-0.42 J173.33 ; 8.36,-0.42 9.09,-1.15 ; 8.36,-0.42 J173.33 ; 8.36,-0.42 9.09,-1.15 ; 8.36,-0.42 9.09,-1.15 ; 8.36,-0.42 9.09,-1.15 ; 8.36,-0.42 J173.33 ; 8.36,-0.42 9.09,-1.15 ; 8.36,-0.42 9.09,-1.15 ; 8.36,-0.42 J173.33 ; 8.36,-0.42 J173.33 ; 8.36,-0.42 J173.33 ; 8.36,-0.42 9.09,-1.15 ; 8.36,-0.42 J173.33 ; 8.36,-0.42 9.09,-1.15 ; 8.36,-0.42 J173.33 ; 8.36,-0.42 J173.33 ; 8.36,-0.42 9.09,-1.15 ; 8.36,-0.42 9.09,-1.15 ; 8.36,-0.42 9.09,-1.15 ; 8.36,-0.42 9.09,-1.15 ; 8.36,-0.42 J173.33 ; 8.36,-0.42 9.09,-1.15 ; 8.36,-0.42 J173.33 ; 8.36,-0.42 9.09,-1.15 ; 8.36,-0.42 J173.33 ; 8.36,-0.42 J173.33 ; 8.36,-0.42 9.09,-1.15 ; 8.36,-0.42 9.09,-1.15 ; 8.36,-0.42 9.09,-1.15 ; 8.36,-0.42 9.09,-1.15 ; 8.36,-0.42 J173.33 ; 8.36,-0.42 J173.33 ; 8.36,-0.42 J173.33 ; 8.36,-0.42 J173.33 ; 8.36,-0.42 9.09,-1.15 ; 8.36,-0.42 9.09,-1.15 ; 8.36,-0.42 9.09,-1.15 ; 8.36,-0.42 9.09,-1.15 ; 8.36,-0.42 J173.33 ; 8.36,-0.42 J173.33 ; 8.36,-0.42 J173.33 ; 8.36,-0.42 9.09,-1.15 ; 8.36,-0.42 9.09,-1.15 ; 8.36,-0.42 J173.33 ; 8.36,-0.42 J173.33 ; 8.36,-0.42 9.09,-1.15 ; 8.36,-0.42 9.09,-1.15 ; 8.36,-0.42 J173.33 ; 8.36,-0.42 J173.33 ; 8.36,-0.42 J173.33 ; 8.36,-0.42 9.09,-1.15 ; 8.36,-0.42 9.09,-1.15 ; 8.36,-0.42 9.09,-1.15 ; 8.36,-0.42 J173.33 ; 8.36,-0.42 J173.33 ; 8.36,-0.42 J173.33 ; 8.36,-0.42 J173.33 ; 8.36,-0.42 9.09,-1.15 ; 8.36,-0.42 J173.33 ; 8.36,-0.42 9.09,-1.15 ; 8.36,-0.42 J173.33 ; 8.36,-0.42 9.09,-1.15 ; 8.36,-0.42 J173.33 ; 8.36,-0.42 J173.33 ; 8.36,-0.42 J173.33 ; 9.09,-1.15 v1(9.18,-1.15) ; 9.09,-1.15 v1(9.18,-1.15) ; 9.09,-1.15 v1(9.18,-1.15) ; 9.09,-1.15 v1(9.18,-1.15) ; 9.09,-1.15 v1(9.18,-1.15) ; 9.09,-1.15 v1(9.18,-1.15) ; 9.09,-1.15 v1(9.18,-1.15) ; 9.09,-1.15 v1(9.18,-1.15) ; 9.09,-1.15 v1(9.18,-1.15) ; 9.09,-1.15 v1(9.18,-1.15) ; 9.09,-1.15 v1(9.18,-1.15) ; 9.09,-1.15 v1(9.18,-1.15) ; 9.09,-1.15 v1(9.18,-1.15) ; 9.09,-1.15 v1(9.18,-1.15) ; 9.09,-1.15 v1(9.18,-1.15) ; 9.09,-1.15 v1(9.18,-1.15) ; 9.09,-1.15 v1(9.18,-1.15) ; 9.09,-1.15 v1(9.18,-1.15) ; 9.09,-1.15 v1(9.18,-1.15) ; 9.09,-1.15 v1(9.18,-1.15) ; 9.09,-1.15 v1(9.18,-1.15) ; 9.09,-1.15 v1(9.18,-1.15) ; 9.09,-1.15 v1(9.18,-1.15) ; 9.09,-1.15 v1(9.18,-1.15) ; 9.09,-1.15 v1(9.18,-1.15) ; 9.09,-1.15 v1(9.18,-1.15) ; 9.09,-1.15 v1(9.18,-1.15) ; 9.09,-1.15 v1(9.18,-1.15) ; 9.09,-1.15 v1(9.18,-1.15) ; 9.09,-1.15 v1(9.18,-1.15) ; 9.09,-1.15 v1(9.18,-1.15) ; 9.09,-1.15 v1(9.18,-1.15) ; 9.09,-1.15 v1(9.18,-1.15) ; 9.09,-1.15 v1(9.18,-1.15) ; 9.09,-1.15 v1(9.18,-1.15) ; 9.09,-1.15 v1(9.18,-1.15) ; 9.09,-1.15 v1(9.18,-1.15) ; 9.09,-1.15 v1(9.18,-1.15) ; 9.09,-1.15 v1(9.18,-1.15) ; 9.09,-1.15 v1(9.18,-1.15) ; 9.09,-1.15 v1(9.18,-1.15) ; 9.09,-1.15 v1(9.18,-1.15)
